# KiCad board Latest-Full-Backplane.kicad_pcb (continued)
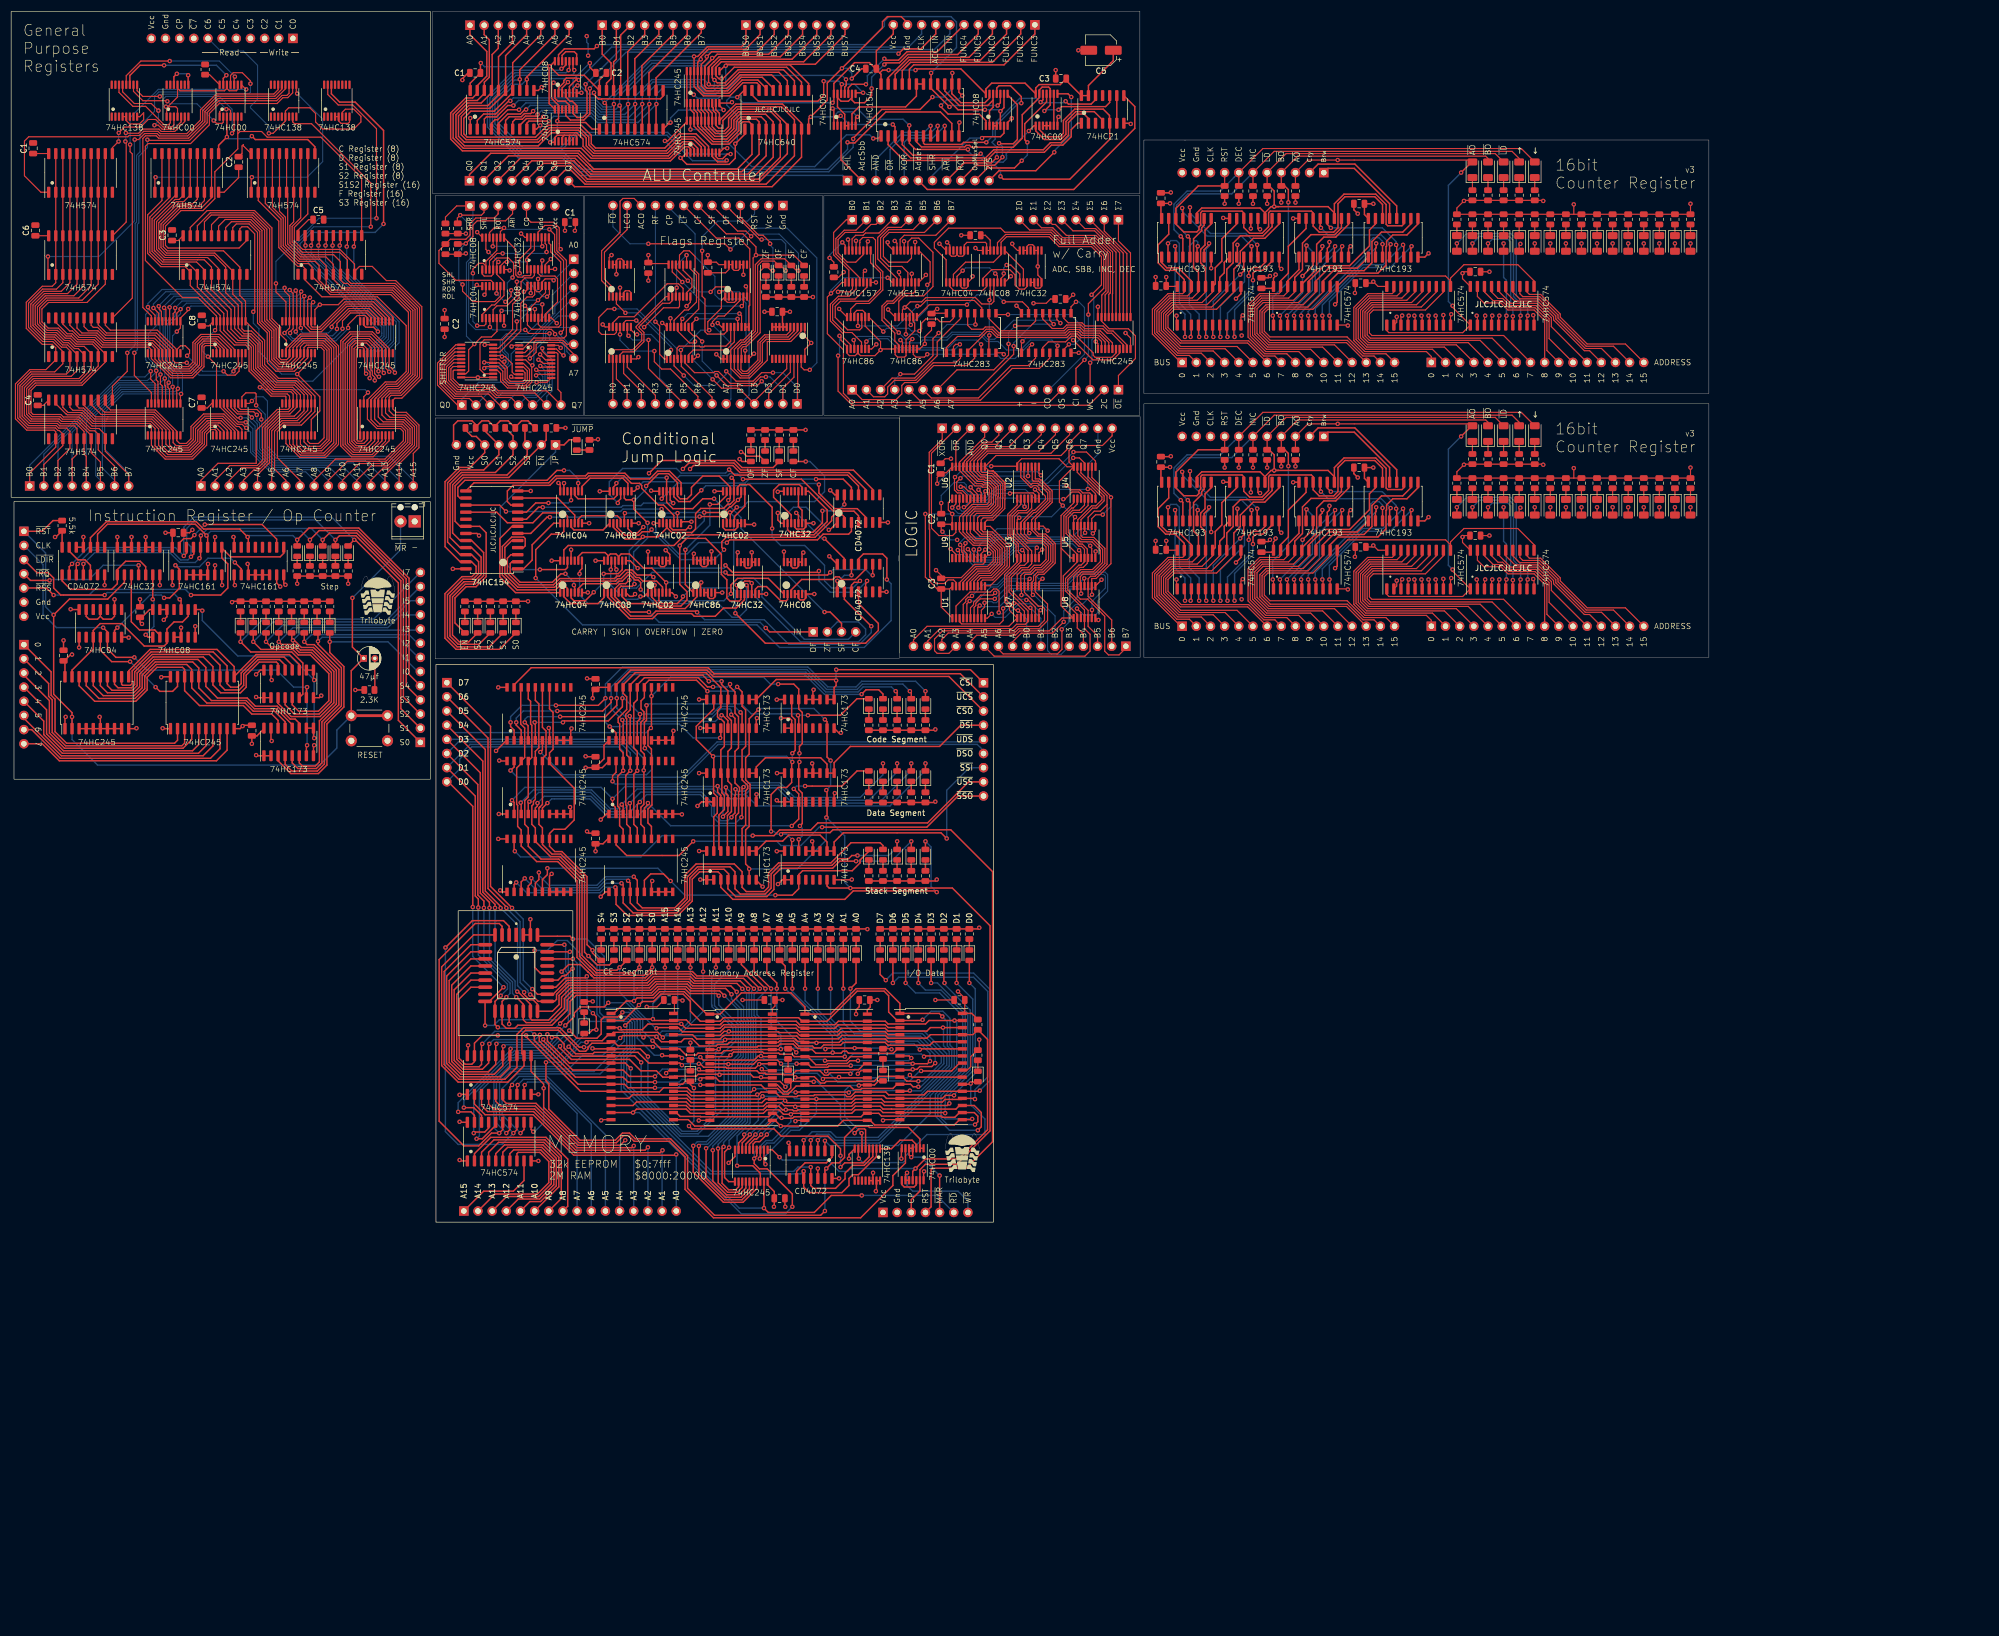
[diagram p0: board, top side]
## Routing (per net, layer and track width the routed paths; a pad name or vN(x,y) marks a point on that pad's centre or on a via; arc(x,y) is an arc through that point) (continued)
/RAM Array/D2: length 154.9
  Top w0.25: v1(140.13,2.76) 140.13,5.04 135.62,9.56 134.22,9.56 133.29,10.49 v1(133.29,11.39) 133.29,11.42 133.74,11.87 U8#6.4 ; D11#2.2 167.31,43 v1(167.42,42.89) ; U4.15 v1(111.56,19.65) 112.18,20.27 121.09,20.27 121.84,19.52 U5#3.15 134.94,19.52 135.56,20.14 137.73,20.14 138.53,19.34 v1(139.86,19.34) 140.04,19.52 142.38,19.52 U6#8.15 150.79,19.52 151.41,20.14 155.89,20.14 156.39,19.65 U7#8.15 167.45,19.65 v1(167.55,19.54)
  Bottom w0.25: v1(111.56,19.65) 112.7,19.65 119.51,12.84 119.64,12.84 130.99,1.49 138.86,1.49 v1(140.13,2.76) ; v1(133.29,11.39) 133.29,12.55 135.37,14.64 136.51,14.64 139.86,17.99 v1(139.86,19.34) ; v1(167.42,42.89) 167.42,42.65 172.04,38.03 172.04,27.29 167.55,22.8 v1(167.55,19.54)
/RAM Array/D3: length 102.4
  Top w0.25: U4.17 121.47,18.38 122.61,17.23 135.52,17.23 U5#3.17 137.04,18.25 v1(138.06,17.23) 148.26,17.23 149.28,18.25 U6#8.17 154.08,18.25 154.9,17.43 169.18,17.43 170.12,18.38 U7#8.17 172.26,18.38 v1(172.39,18.5) ; U8#6.5 133.09,14 133.53,14.44 134.29,14.44 v1(135.56,15.71) ; v1(165.02,42.89) D10#3.2
  Bottom w0.25: v1(138.06,17.23) 137.08,17.23 v1(135.56,15.71) ; v1(165.02,42.89) 166.17,42.89 171.59,37.47 171.59,27.48 166.8,22.69 166.8,19.27 167.57,18.5 v1(172.39,18.5)
/RAM Array/D4: length 109.5
  Top w0.25: v1(162.74,42.89) D9#5.2 ; U4.18 119.31,19.65 120,18.95 123.64,18.95 123.7,18.9 135.92,18.9 U5#3.18 137.04,19.52 137.86,18.7 v1(138.2,18.7) 138.28,18.62 140.16,18.62 140.44,18.9 152.46,18.9 153.08,19.52 U6#8.18 155.63,19.52 156.13,19.01 166.79,19.01 167.01,18.8 169.27,18.8 170.12,19.65 U7#8.18 172.77,19.65 173.41,19.01 173.41,18 v1(172.9,17.49) ; v1(134.54,15.71) 133.71,14.89 133.34,14.89 132.44,13.99 U8#6.6
  Bottom w0.25: v1(138.2,18.7) 137.52,18.7 v1(134.54,15.71) ; v1(162.74,42.89) 164.01,41.62 166.8,41.62 171.14,37.28 171.14,27.66 166.24,22.76 166.24,19.2 167.95,17.49 v1(172.9,17.49)
/RAM Array/D5: length 117
  Top w0.25: U4.19 121.08,20.92 121.83,20.17 134.95,20.17 135.57,20.79 U5#3.19 137.72,20.79 138.37,20.14 140.16,20.14 140.34,19.97 140.94,19.97 141.12,20.14 150.77,20.14 151.42,20.79 U6#8.19 155.88,20.79 156.39,20.28 157.91,20.28 157.92,20.27 169.48,20.27 170.12,20.92 U7#8.19 172.77,20.92 174.03,19.66 174.03,17.1 v1(173.41,16.47) ; v1(133.52,15.72) 131.79,13.99 U8#6.7 ; v1(160.45,42.89) D8#2.2
  Bottom w0.25: v1(133.52,15.72) 137.95,20.15 v1(138.96,20.15) ; v1(173.41,16.47) 168.33,16.47 165.79,19.01 165.79,22.95 170.69,27.85 170.69,36.97 166.55,41.11 162.23,41.11 v1(160.45,42.89)
/RAM Array/D6: length 110.7
  Top w0.25: v1(158.17,42.89) D7#5.2 ; v1(172.9,22.06) 172.77,22.19 U7#8.20 170.44,22 168.84,22 168.83,22.01 167.5,22.01 167.05,21.55 156.64,21.55 156.13,22.06 U6#8.20 151.42,22.06 150.73,21.37 144.15,21.37 144.11,21.41 139.2,21.41 138.55,22.06 U5#3.20 135.31,22.06 134.67,21.43 121.97,21.43 121.21,22.19 U4.20 ; v1(132.5,15.72) 132.5,15.57 131.14,14.21 U8#6.8
  Bottom w0.25: v1(138.85,21.77) 138.57,21.77 133.24,16.44 133.22,16.44 v1(132.5,15.72) ; v1(172.9,22.06) 172.9,23.75 175.18,26.04 175.18,41.36 172.64,43.9 159.18,43.9 v1(158.17,42.89)
/RAM Array/D7: length 111.8
  Top w0.25: v1(156.9,43.4) 155.88,44.41 D6#4.2 ; v1(131.5,15.71) 131.5,15.2 130.49,14.2 U8#6.9 ; 118.81,23.46 121.24,23.46 122.01,22.68 133.88,22.68 134.53,23.33 U5#3.21 137.04,23.33 137.86,22.51 140.96,22.51 141.14,22.68 143.97,22.68 144.11,22.82 149.61,22.82 149.92,22.51 150.6,22.51 151.42,23.33 U6#8.21 156.9,23.33 157.4,22.82 163.75,22.82 164.39,23.46 173.63,23.46 v1(173.76,23.58)
  Bottom w0.25: v1(156.9,43.4) 158.17,44.67 172.64,44.67 175.69,41.62 175.69,25.52 v1(173.76,23.58) ; v1(131.5,15.71) 131.5,15.74 134.04,18.28 134.04,22.69 v1(133.84,22.89)
/~{ADC}: length 57.1
  Top w0.25: U8#4.2 148.23,198.05 148.55,198.37 v1(148.8,198.37) ; U10#4.2 193.25,197.91 192.47,198.69 191.16,198.69 189.66,197.18 189.66,194.9 188.33,193.57 186.42,193.57 185.15,192.29 176.76,192.29 176.76,192.3 176.26,192.3 174.8,190.83 161.34,190.83 158.58,193.59 U3#2.3 158.55,194.81 158.55,196.42 v1(158.15,196.82)
  Bottom w0.25: v1(158.15,196.82) 150.35,196.82 v1(148.8,198.37)
/~{ADD}: length 40.9
  Top w0.25: U10#4.1 191.31,197.06 190.17,195.91 190.17,194.64 188.64,193.12 186.61,193.12 185.34,191.84 176.57,191.84 176.57,191.85 176.45,191.85 174.98,190.38 160.14,190.38 157.31,193.21 U3#2.2
/~{ASL}: length 131.4
  Top w0.25: v1(151.05,194.25) 151.05,194.39 156.18,199.53 163.05,199.53 v1(165.27,201.75) ; U1#2.10 100.14,206.72 v1(100,206.58) ; v1(168.83,206.07) 168.83,204.17 U3#2.14 168.74,202.35 170.35,200.74 174.67,200.74 175.5,201.56 U9#3.13
  Bottom w0.25: v1(168.83,206.07) 168.83,203.28 167.31,201.75 v1(165.27,201.75) ; v1(151.05,194.25) 151.05,192.73 146.66,188.35 101.97,188.35 99.06,191.26 91.18,191.26 85.89,196.56 85.89,201.62 90.37,206.1 99.52,206.1 v1(100,206.58)
/~{ASR}: length 17.4
  Top w0.25: U9#3.12 176.15,199.93 175.5,199.28 U9#3.2 ; U3#2.15 167.47,202.86 170.1,200.23 175.18,200.23 176.15,201.2
/~{DEC}: length 40.1
  Top w0.25: v1(174.93,193.63) 170.86,193.63 170.49,193.26 163.87,193.26 163.66,193.46 163.66,194.78 ; U7#2.12 185.09,201.25 v1(184.67,200.83) ; v1(189.15,200.99) 189.66,200.48 193.72,200.48 194.52,201.28 U10#4.12
  Bottom w0.25: v1(174.93,193.63) 176.07,194.77 176.07,196.67 180.89,201.5 184,201.5 v1(184.67,200.83) 184.76,200.74 188.9,200.74 v1(189.15,200.99)
/~{EEPROM_EN}: length 138.1
  Top w0.25: v1(95.93,28.66) 95.93,25.37 96.44,24.85 96.44,20.28 102.03,14.69 108.38,14.69 109.65,15.96 110.92,15.96 111.94,14.95 118.29,14.95 121.34,11.9 121.34,6.06 126.16,1.23 145.21,1.23 v1(145.97,1.99) ; v1(103.26,44.08) 102.99,43.81 99.52,43.81 99.42,43.71 99.3,43.71 97.71,42.13 U11.23 ; U2#2.13 145.97,9.36 v1(146.23,9.61) 147.24,10.63 148.52,10.63 149.49,11.6 149.49,15.17 151.49,17.18 153.78,17.18 153.98,16.98 160.96,16.98 163.02,14.92 U1#10.2 U1#10.1 ; v1(104.36,37.47) 104.97,36.85 v1(104.97,34.51) 104.32,34.51 103.74,33.93 102.79,33.93
  Bottom w0.25: v1(95.93,28.66) 98.49,28.66 100.94,31.11 100.94,31.71 103.73,34.51 v1(104.97,34.51) ; v1(103.26,44.08) 103.3,44.04 103.3,38.52 v1(104.36,37.47) ; v1(145.97,1.99) 145.97,9.36 v1(146.23,9.61)
/~{INC}: length 51.6
  Top w0.25: U10#4.10 197.06,200.77 196.32,200.03 188.45,200.03 v1(187.88,199.47) ; U3#2.6 162.39,193.72 163.3,192.81 171.05,192.81 171.32,193.08 171.92,193.08 172.26,192.75 176.94,192.75 176.95,192.74 179.76,192.74 181.37,194.36 181.37,198.58 184.44,201.64 U7#2.13 184.44,203.02 184.95,203.53 186.1,203.53 186.39,203.25 U7#2.10 186.39,200.3 v1(185.34,199.25)
  Bottom w0.25: v1(185.34,199.25) 185.56,199.47 v1(187.88,199.47)
/~{ROL}: length 105.9
  Top w0.25: v1(168.32,199.98) 164.93,203.37 U3#2.17 165.02,204.17 v1(165.02,206.07) ; v1(105.08,210.9) 104.57,210.39 99.23,210.39 98.19,209.34 U1#2.13 ; U9#3.10 177.45,200.72 v1(176.96,200.23)
  Bottom w0.25: v1(165.02,206.07) 169.57,210.63 169.57,215.19 168.59,216.17 157.45,216.17 156.64,215.36 156.64,214.45 153.34,211.15 105.33,211.15 v1(105.08,210.9) ; v1(176.96,200.23) 168.58,200.23 v1(168.32,199.98)
/~{ROR}: length 19.8
  Top w0.25: v1(174.67,199.47) 169.85,199.47 166.2,203.12 U3#2.16 ; U9#3.5 177.45,199.19 178.1,199.84 U9#3.9
  Bottom w0.25: v1(174.67,199.47) 177.21,199.47 v1(177.47,199.21)
/~{SBB}: length 85.7
  Top w0.25: v1(171.62,192.36) 162.23,192.36 161.12,193.46 U3#2.5 161.1,194.8 v1(161.1,196.67) ; v1(147.35,199.7) 147.58,199.47 U8#4.1 ; U7#2.2 184.44,195.92 185.71,194.64 188.13,194.64 188.76,195.27 188.76,197.55 190.79,199.58 195.89,199.58 197.02,198.45 197.02,197.09 U10#4.5 197.06,194.17 189.91,187.02 177.97,187.02 v1(177.47,187.53)
  Bottom w0.25: v1(171.62,192.36) 171.62,192.1 172.89,190.83 173.91,190.83 175.18,189.56 176.45,189.56 177.47,188.55 v1(177.47,187.53) ; v1(161.1,196.67) 160,197.77 153.7,197.77 151.78,199.7 v1(147.35,199.7)
/~{SHL}: length 117.3
  Top w0.25: v1(101.01,206.58) 100.79,206.8 U1#2.9 ; v1(150.03,193.63) 150.14,193.52 151.35,193.52 156.9,199.08 166.68,199.08 168.74,197.02 U3#2.11
  Bottom w0.25: v1(101.01,206.58) 101.01,206.07 100.59,205.65 90.56,205.65 86.34,201.43 86.34,196.74 91.37,191.71 99.24,191.71 102.15,188.8 146.48,188.8 150.03,192.36 v1(150.03,193.63)
/~{SHR}: length 17.1
  Top w0.25: U9#3.1 174.85,197.52 173.66,198.71 168.07,198.71 166.8,199.98 v1(166.8,200.23) ; v1(170.61,202.01) 170.01,202.61 U3#2.13
  Bottom w0.25: v1(170.61,202.01) 169.85,201.25 167.81,201.25 v1(166.8,200.23)
/~{SUB}: length 48.5
  Top w0.25: v1(182.55,195.66) 183.49,196.61 U7#2.1 183.79,195.69 185.34,194.13 188.26,194.13 189.21,195.08 189.21,197.37 190.98,199.14 194.28,199.14 195.79,197.63 U10#4.4 ; v1(173.91,191.59) 173.66,191.34 161.72,191.34 159.85,193.21 U3#2.4
  Bottom w0.25: v1(173.91,191.59) 175.43,190.07 177.94,190.07 178.55,190.68 178.55,191.28 178.5,191.33 178.5,191.61 v1(182.55,195.66)
/~{ZF}: length 22.1
  Top w0.25: U4#3.5 24.13,117.53 23.16,118.5 20.54,118.5 19.05,117.02 U4#3.1 19.05,114.48 18.03,113.46 10.67,113.46 9.14,114.99 U2#11.1
A0: length 224.7
  Top w0.2: J1#7.16 161.86,104.42 164.29,106.84 178.97,106.84 U7.1 179.09,109.7 179.09,110.22 178.79,110.52 178.79,110.55 178.21,111.12 178.21,116.11 180.46,118.36 U3#9.1 180.26,119.28 180.26,121.47 178.76,122.97 178.76,126.92 180.46,128.62 U2#7.1 ; U5#6.5 172.85,154.94 171.5,153.59 165.47,153.59 162.42,150.55 160.27,150.55 159.77,150.04 159.77,148.51 158.75,147.5 152.65,147.5 J1#3.1 ; U5#9.8 87.66,156.03 91.41,159.78 91.41,164.76 92.55,165.9 93.5,165.9 93.91,166.31 U3#3.12 93.91,167.23 94.29,166.85 94.82,166.85 95.21,167.23 U3#3.10 95.21,168.56 95.79,169.14 97.06,169.14 v1(97.31,168.88)
  Top w0.25: U11#4.2 121.85,192.47 121.47,192.84 120.81,192.84 118.27,190.3 103.71,190.3 101.9,192.11 80.94,192.11 78.84,194.21 78.84,198.88 81.53,201.58 82.77,201.58 83.61,202.42 U2#9.19 83.61,203.79 85.32,205.5 85.32,209.92 82.31,212.94 J1#8.1 ; 83.11,22.92 83.11,21.17 85.01,19.27 93.65,19.27 100.91,12 119.15,12 v1(119.3,12.14)
  Bottom w0.2: v1(97.31,168.88) 100.91,172.48 J1#5.1
  Bottom w0.25: J3#2.16 119.3,12.14 v1(119.3,12.14)
A1: length 220.9
  Top w0.2: J1#7.15 164.4,104.21 166.64,106.44 179.58,106.44 180.35,107.22 181.95,107.22 182.41,107.68 U7.4 182.41,109.59 181.99,110.02 181.98,110.02 179.01,112.98 179.01,115.77 180.88,117.64 180.89,117.64 181.02,117.77 181.76,117.77 182.41,118.42 U3#9.4 182.41,120.46 179.56,123.31 179.56,126.59 180.57,127.59 182.08,127.59 182.49,128 182.49,129.65 U2#7.4 ; U5#9.7 87.87,155.38 v1(88.05,155.2) 88.61,155.2 89.87,153.94 89.87,152.42 90.27,152.03 U6#9.9 ; J1#3.2 154.69,148.01 156.72,148.01 157.23,148.51 157.23,149.73 158.45,150.95 162.26,150.95 165.41,154.1 169.47,154.1 170.31,154.94 U5#6.3
  Top w0.25: U9#4.3 84.38,20.92 85.46,19.83 93.71,19.83 101.1,12.45 116.41,12.45 v1(116.84,12.88) ; U11#4.3 122.5,192.47 121.67,193.29 120.62,193.29 118.08,190.75 104.08,190.75 102.28,192.55 81.13,192.55 79.28,194.4 79.28,198.7 81.72,201.13 83.62,201.13 84.88,202.39 U2#9.18 84.88,204.42 85.77,205.31 85.77,212.01 84.84,212.94 J1#8.2
  Bottom w0.2: J1#5.2 97.06,166.26 97.06,163.83 92.52,159.29 88.82,159.29 87.73,158.2 87.73,155.52 v1(88.05,155.2)
  Bottom w0.25: v1(116.84,12.88) 116.76,12.8 J3#2.15
A2: length 231.8
  Top w0.2: U5#6.14 170.31,162.04 166.12,157.84 166.12,155.37 162.09,151.35 158.03,151.35 J1#3.3 ; U6#9.8 91.8,152.68 92.18,152.29 92.18,151.11 91.85,150.78 89.53,150.78 88.99,151.32 88.99,153.27 87.53,154.73 U5#9.6 ; J1#7.14 166.94,104.5 168.09,105.64 179.98,105.64 180.76,106.42 184.46,106.42 185.91,107.87 185.91,110.83 183.71,113.03 U7.9 183.8,114.14 183.8,115.68 184.29,116.17 185.25,116.17 187.29,118.21 187.29,121.69 185.86,123.11 185.85,123.11 185.57,123.39 184.35,123.39 183.71,124.03 U3#9.9 183.71,126.04 186.74,129.07 186.74,131.12 184.76,133.09 184.63,133.09 184.45,133.28 183.71,133.28 U2#7.9
  Top w0.25: U9#4.4 85.65,21.17 86.54,20.28 93.9,20.28 101.29,12.9 113.7,12.9 v1(114.22,13.42) ; U11#4.4 123.15,192.57 121.98,193.74 120.43,193.74 117.89,191.2 104.32,191.2 102.59,192.93 102.59,194.2 101.45,195.35 96.89,195.35 94.55,193 81.31,193 79.79,194.52 79.79,198.57 81.9,200.68 84.32,200.68 86.15,202.52 U2#9.17 86.28,203.06 86.28,209.37 87.39,210.48 J1#8.3
  Bottom w0.2: v1(88.47,154.29) 88.78,154.61 88.78,155.45 88.13,156.11 88.13,158.04 88.85,158.76 93.29,158.76 97.53,162.99 97.53,164.19 J1#5.3
  Bottom w0.25: J3#2.14 v1(114.22,13.42)
A3: length 248.5
  Top w0.2: U6#9.7 91.91,153.33 92.58,152.65 92.58,150.95 92.02,150.38 89.37,150.38 88.59,151.16 88.59,152.99 87.5,154.08 U5#9.5 86.37,154.16 v1(84.86,154.16) ; J1#7.13 168.21,101.99 166.11,101.99 165.64,102.47 165.64,104.57 167.11,106.04 179.82,106.04 180.59,106.82 184.27,106.82 185.36,107.91 185.36,110.03 184.95,110.44 184.24,110.44 181.76,112.92 U7.12 181.76,115.97 181.94,116.14 182.97,116.14 183.79,116.97 184.92,116.97 186.49,118.54 186.49,121.36 185.53,122.32 185.52,122.32 185.24,122.59 182.6,122.59 181.76,123.43 U3#9.12 181.76,125.56 183.44,127.24 183.76,127.24 185.94,129.42 185.94,130.79 184.56,132.17 184.43,132.17 184.12,132.48 183.21,132.48 182.97,132.24 181.69,133.53 181.69,135.38 U2#7.12 ; v1(166.37,159.44) 165.35,158.42 165.35,155.37 162.05,152.07 v1(159.51,152.07) ; U5#6.12 172.97,162.86 v1(172.97,160.96)
  Top w0.25: v1(111.68,13.68) 111.35,13.35 101.47,13.35 94.03,20.79 87.81,20.79 86.92,21.68 U9#4.5 ; U11#4.5 123.8,192.81 122.42,194.19 120.25,194.19 117.71,191.65 104.51,191.65 103.16,193 103.16,194.4 101.76,195.8 96.7,195.8 94.58,193.67 81.29,193.67 80.24,194.71 80.24,198.38 82.09,200.23 85.52,200.23 87.42,202.13 U2#9.16 87.42,208.99 89.92,211.5 J1#8.4
  Bottom w0.2: J1#3.4 158.5,151.05 v1(159.51,152.07) ; v1(84.86,154.16) 85.27,154.16 85.87,153.56 88.78,153.56 89.18,153.95 89.18,155.62 88.53,156.27 88.53,157.87 89.02,158.36 93.46,158.36 100.13,165.03 J1#5.4 ; v1(172.97,160.96) 167.89,160.96 v1(166.37,159.44)
  Bottom w0.25: J3#2.13 v1(111.68,13.68)
A4: length 231.4
  Top w0.2: v1(84.86,153.14) 85.16,153.43 U5#9.4 87.35,153.43 88.19,152.59 88.19,150.99 89.2,149.98 92.18,149.98 92.98,150.78 92.98,152.89 91.9,153.98 U6#9.6 ; 186.31,155.89 186.31,154.94 184.46,153.09 179.58,153.09 173.88,147.39 162.92,147.39 J1#3.5 ; 190.59,129.67 190.59,128.95 188.34,126.7 188.34,110.52 190.59,108.27 ; U8#3.1 190.58,108.34 188.53,108.34 186.21,106.02 180.92,106.02 180.15,105.24 173.2,105.24 172.34,104.38 172.34,104.34 172.02,104.03 J1#7.12 ; 188.34,120.87 190.1,119.1 U5#8.1
  Top w0.25: v1(110.16,14.69) 109.26,13.79 101.66,13.79 94.16,21.3 88.82,21.3 88.19,21.93 U9#4.6 ; U11#4.6 124.45,192.79 122.6,194.64 120.06,194.64 117.52,192.1 104.69,192.1 103.61,193.18 103.61,194.58 101.95,196.24 96.52,196.24 94.39,194.12 81.6,194.12 80.75,194.96 80.75,198.26 82.22,199.72 85.87,199.72 88.69,202.54 U2#9.15 88.69,209.17 92.47,212.94 J1#8.5
  Bottom w0.2: v1(84.86,153.14) 88.93,153.14 89.69,153.9 89.69,155.68 91.98,157.96 94.99,157.96 95.47,158.44 95.47,159.81 98.16,162.49 J1#5.5
  Bottom w0.25: v1(110.16,14.69) 109.14,13.68 J3#2.12
A5: length 222.7
  Top w0.2: 192.54,129.67 192.54,128.57 191.62,127.65 190.42,127.65 189.24,126.47 189.24,123.49 191.54,121.19 191.98,121.19 192.54,120.63 192.54,118.42 191.93,117.82 191.53,117.82 189.14,115.42 189.14,113.18 192.54,109.78 192.54,108.27 ; U8#3.4 192.54,106.42 193.54,105.42 193.54,102.42 192.61,101.49 176.34,101.49 J1#7.11 ; U6#9.5 92.29,154.63 93.38,153.54 93.38,150.62 92.35,149.58 89.04,149.58 87.79,150.83 87.79,152.18 87.19,152.78 U5#9.3 ; U6#7.3 183.77,154.94 182.43,153.59 179.32,153.59 173.52,147.79 165.06,147.79 J1#3.6
  Top w0.25: v1(89.86,24.6) 89.46,24.2 U9#4.7 ; U11#4.7 125.1,192.91 122.86,195.15 119.81,195.15 117.27,192.61 104.82,192.61 104.06,193.37 104.06,194.9 102.26,196.69 96.21,196.69 94.08,194.57 81.78,194.57 81.2,195.15 81.2,197.94 82.47,199.21 86.64,199.21 89.96,202.54 U2#9.14 89.96,207.9 95.01,212.94 J1#8.6
  Bottom w0.2: J1#5.6 100.43,160.43 96.66,160.43 95.87,159.64 95.87,159.06 95.87,159.06 95.87,158.28 93.76,156.16 93.76,153.9 v1(93.5,153.64)
  Bottom w0.25: v1(89.86,24.6) 89.86,24.87 91.11,26.12 96.16,26.12 106.6,15.68 J3#2.11
A6: length 244.1
  Top w0.2: 193.84,135.39 193.86,135.37 193.86,133.53 197.29,130.1 197.29,118.08 194.62,115.42 193.84,115.42 193.84,113.99 ; U1#5.9 87.76,177.62 v1(88.42,178.28) 86.64,178.28 85.81,177.45 U1#5.12 ; U6#9.4 92.48,155.28 93.77,156.57 93.77,157.78 94.12,158.13 98.97,158.13 99.69,157.41 J1#5.7 ; v1(195.81,126.87) 195.79,126.84 194.54,126.84 193.84,126.14 U5#8.9 ; v1(178.91,157.48) 178.91,155.47 176.28,152.83 169.67,152.83 J1#3.7 ; v1(188.46,106.29) 188.49,106.27 188.49,102.69 187.69,101.89 177.94,101.89 177.1,102.73 J1#7.10 ; v1(96.55,178.03) 97.48,177.1 97.48,174.02 99.09,172.41 99.09,159.99 v1(98.58,159.49) ; U8#3.9 193.84,112.57 v1(193.89,112.52) ; v1(180.09,160.71) 182.88,160.71 183.77,161.59 U6#7.14
  Top w0.25: v1(128.35,190.4) 128.08,190.13 126.71,190.13 125.75,191.09 U11#4.8 ; U9#4.8 90.73,24.47 v1(90.86,24.6) ; U2#9.13 91.23,204.92 v1(91.24,204.92) 91.24,206.63 97.55,212.94 J1#8.7
  Bottom w0.2: v1(180.09,160.71) 178.91,159.53 v1(178.91,157.48) ; v1(195.81,126.87) 197.29,128.34 v1(197.29,129.97) ; v1(96.55,178.03) 88.67,178.03 v1(88.42,178.28) ; J1#5.7 100.14,157.41 98.58,158.98 v1(98.58,159.49) ; v1(193.89,112.52) 192.09,110.72 190.9,110.72 189.66,109.48 189.66,107.49 v1(188.46,106.29)
  Bottom w0.25: v1(91.24,204.92) 91.11,204.8 90.34,204.8 86.79,201.25 86.79,196.93 91.56,192.16 98.66,192.16 101.39,194.9 117.65,194.9 122.22,190.32 128.19,190.32 128.26,190.4 v1(128.35,190.4) ; J3#2.10 104.06,17.59 96.04,25.62 91.87,25.62 v1(90.86,24.6)
A7: length 257.3
  Top w0.2: v1(191.94,112.72) 191.89,112.77 U8#3.12 ; v1(125.8,160.9) 125.8,161.46 126.82,162.48 127.95,162.48 130.7,165.23 U39.5 ; J1#5.8 100.91,155.63 98.81,157.73 94.59,157.73 94.17,157.32 94.17,155.98 v1(93.06,154.87) ; 186.31,162.99 186.31,161.72 v1(187.01,161.02) ; v1(89.94,169.39) 90.12,169.56 90.12,171.99 89.22,172.89 87.11,172.89 86.46,172.23 U1#5.4 86.46,169.97 86.13,169.65 84.86,169.65 84.51,170 U1#5.1 ; 191.89,135.39 191.89,134.37 196.06,130.2 196.06,129.36 194.75,128.04 193.99,128.04 191.91,125.96 191.91,123.08 192.2,122.79 194.21,122.79 196.19,120.81 196.19,118.11 194.29,116.22 192.25,116.22 191.79,115.75 191.79,114.09 191.89,113.99 ; J1#3.8 173.48,149.28 179.83,155.63 v1(179.83,157.09) ; v1(188.82,107.64) 186.8,105.62 181.19,105.62 179.64,104.07 ; v1(92.17,164.31) 92.61,163.87 U3#3.1 92.61,160.89 93.39,160.1 96.89,160.1 97.56,159.43 v1(97.56,159.23) ; U6#9.3 92.14,155.93 v1(93.07,156.86)
  Top w0.25: v1(92.13,24.6) 92,24.47 U9#4.9 ; v1(129.05,191.52) 128.46,191.52 127.63,190.7 126.79,190.7 126.4,191.09 U11#4.9 ; U2#9.12 v1(92.5,204.93) 92.5,205.36 100.09,212.94 J1#8.8
  Bottom w0.2: v1(187.01,161.02) 183.2,161.02 179.83,157.65 v1(179.83,157.09) ; v1(188.82,107.64) 188.82,109.6 v1(191.94,112.72) ; J1#5.8 99.68,156.1 99.68,157.24 97.68,159.23 v1(97.56,159.23) ; v1(93.06,154.87) 93.06,156.85 v1(93.07,156.86) ; J2#4.6 129.12,147.59 129.12,157.58 v1(125.8,160.9) ; v1(92.17,164.31) 91.5,164.31 88.99,166.82 88.99,168.44 v1(89.94,169.39)
  Bottom w0.25: v1(129.05,191.52) 121.66,191.52 117.78,195.4 101.27,195.4 98.47,192.61 91.87,192.61 87.3,197.18 87.3,200.99 90.34,204.04 91.61,204.04 v1(92.5,204.93) ; v1(92.13,24.6) 92.63,25.11 95.91,25.11 101.52,19.49 J3#2.9
A8: length 30.5
  Top w0.25: 83.11,10.98 83.11,12.28 86.03,15.2 95.94,15.2 99.83,11.31 99.83,2.84 J3#2.8
A9: length 28.8
  Top w0.25: J3#2.7 98.69,4.24 98.69,11.81 95.75,14.75 86.6,14.75 84.38,12.53 U10#3.3
A10: length 27.4
  Top w0.25: J3#2.6 93.91,1.99 98.24,6.33 98.24,11.63 95.57,14.3 87.42,14.3 85.65,12.53 U10#3.4
A11: length 27.1
  Top w0.25: J3#2.5 93.06,3.69 94.97,3.69 97.79,6.52 97.79,11.44 95.38,13.85 88.49,13.85 86.92,12.28 U10#3.5
A12: length 27
  Top w0.25: U10#3.6 88.19,12.53 89.06,13.4 95.2,13.4 97.34,11.26 97.34,6.7 94.78,4.14 90.97,4.14 J3#2.4
A13: length 26.6
  Top w0.25: J3#2.3 88.88,4.59 94.6,4.59 96.89,6.89 96.89,11.07 95.01,12.95 90.13,12.95 89.46,12.28 U10#3.7
A14: length 26.4
  Top w0.25: J3#2.2 86.79,5.04 94.41,5.04 96.44,7.07 96.44,10.88 94.82,12.5 90.95,12.5 90.73,12.28 U10#3.8
A15: length 16.6
  Top w0.25: J3#2.1 84.76,5.55 90.09,5.55 92,7.46 U10#3.9
ADC_SBB: length 70
  Top w0.2: U32.3 169.02,169.96 171.2,172.14 176.21,172.14 177.58,173.5 U33.9 177.58,175.72 178.56,176.71 186.18,176.71 187.96,174.93 193.79,174.93 195.58,173.14 195.58,168.07 v1(193.8,166.29) ; v1(193.55,154.1) J4#4.3
  Top w0.25: J3.2 148.88,190.47 U8#4.3
  Bottom w0.2: v1(193.55,154.1) 193.86,154.42 193.86,158.25 194.2,158.59 194.2,165.89 v1(193.8,166.29)
ADDER_CARRY_IN: length 12.7
  Top w0.2: U5#6.7 175.39,158.94 v1(175.46,159.01) ; v1(175.48,165.34) 175.63,165.48 U33.3
  Bottom w0.2: v1(175.46,159.01) 175.46,165.32 v1(175.48,165.34)
ADDER_CARRY_OUT: length 22
  Top w0.2: v1(191.01,165.02) 190.12,164.13 U6#7.9
  Bottom w0.2: v1(191.01,165.02) 191.52,165.02 192.53,164.01 192.53,155.63 186.18,149.28 J4#4.6
ADDER_OUT: length 50.7
  Top w0.25: J3.6 164.33,185.17 190.61,185.17 201.56,196.12 201.56,200.04 U10#4.8
ADDR0: length 150.6
  Top w0.2: 248.03,120.48 248.03,119.49 247.73,119.19 243.33,119.19 240.85,116.72 240.85,110.79 242.83,108.81 253.86,108.81 254.76,107.91 J3#9.1 ; 32.13,170.43 31.22,171.34 26.86,171.34 24.48,173.71 24.48,180.62 27.05,183.19 U1#9.2 U1#9.19 ; 32.13,169.94 32.13,167.94 37.49,162.59 U9#6.18 37.49,159.85 40.05,157.29 42.08,157.29 42.67,156.7 42.67,152.63 46.79,148.51 49.53,148.51 49.94,148.11 49.94,146.04 49.63,145.73 47.74,145.73 43.97,141.96 43.97,136.07 37.08,136.07 34.04,133.02 J2#5.1 ; J3#8.1 254.76,155.21 253.86,156.11 242.83,156.11 240.85,158.09 240.85,164.02 243.33,166.5 247.73,166.5 248.03,166.8 248.03,167.78
ADDR1: length 154.2
  Top w0.2: J3#9.2 254.95,109.21 242.99,109.21 241.25,110.95 241.25,116.55 243.49,118.79 248.6,118.79 249.3,119.49 U6#4.18 ; 28.32,191.6 28.32,183.66 24.88,180.22 24.88,173.89 27.02,171.76 31.96,171.76 33.4,170.31 ; U6#5.18 249.3,166.8 248.6,166.1 243.49,166.1 241.25,163.85 241.25,158.26 242.99,156.51 254.95,156.51 J3#8.2 ; J2#5.2 36.58,133.02 39.22,135.67 44.13,135.67 45.1,136.64 45.1,142.51 47.92,145.32 49.78,145.32 50.59,146.13 50.59,148.5 50.18,148.91 46.96,148.91 46.09,149.78 43.07,152.8 43.07,156.87 42.25,157.69 40.35,157.69 38.14,159.9 U9#6.17 38.14,162.95 33.4,167.69 33.4,169.94
ADDR2: length 158
  Top w0.2: U6#5.17 250.57,166.8 249.47,165.7 243.66,165.7 241.65,163.69 241.65,158.42 243.16,156.91 257.09,156.91 J3#8.3 ; J2#5.3 39.12,133.02 41.36,135.27 44.3,135.27 45.54,136.51 45.54,142.38 48.09,144.92 50.01,144.92 51.24,146.15 51.24,148.42 50.34,149.31 47.12,149.31 44.59,151.84 43.47,152.96 43.47,157.04 42.41,158.09 40.71,158.09 38.79,160.01 U9#6.16 38.79,163.32 34.67,167.44 34.67,169.94 ; J3#9.3 257.09,109.61 243.16,109.61 241.65,111.12 241.65,116.38 243.66,118.39 249.47,118.39 250.57,119.49 U6#4.17 ; 34.67,170.76 33.26,172.17 27.2,172.17 25.28,174.09 25.28,179.93 29.59,184.24 ; U1#9.17 U1#9.4
ADDR3: length 164.2
  Top w0.2: U6#5.16 251.84,166.8 250.34,165.3 243.82,165.3 242.05,163.52 242.05,158.59 243.32,157.31 259.23,157.31 J3#8.4 ; J2#5.4 41.66,133.02 43.51,134.87 44.46,134.87 45.94,136.34 45.94,142.21 48.25,144.52 50.78,144.52 51.89,145.63 51.89,148.33 50.51,149.71 47.29,149.71 44.99,152 43.87,153.13 43.87,157.22 42.6,158.49 41.08,158.49 39.44,160.13 U9#6.15 39.44,163.68 35.94,167.18 35.94,171.25 34.62,172.57 33.43,172.57 33.42,172.57 27.37,172.57 25.68,174.26 25.68,179.66 29.41,183.39 30.15,183.39 30.86,184.1 ; J3#9.4 259.23,110.01 243.32,110.01 242.05,111.28 242.05,116.22 243.82,117.99 250.34,117.99 251.84,119.49 U6#4.16 ; U1#9.5 U1#9.16
ADDR4: length 169.8
  Top w0.2: 32.13,184.17 30.94,182.99 29.64,182.99 26.08,179.43 26.08,174.42 27.53,172.97 33.59,172.97 35.23,172.97 37.21,170.99 37.21,166.93 40.09,164.05 40.09,160.24 41.44,158.89 42.84,158.89 44.27,157.46 44.27,153.29 47.45,150.11 50.81,150.11 52.54,148.38 52.54,145.48 51.18,144.12 48.42,144.12 46.34,142.04 46.34,136.18 44.2,134.04 J2#5.5 ; J3#8.5 261.37,157.71 243.49,157.71 242.45,158.75 242.45,163.36 243.99,164.9 251.21,164.9 253.11,166.8 U6#5.15 ; J3#9.5 261.37,110.41 243.49,110.41 242.45,111.45 242.45,116.05 243.99,117.59 251.21,117.59 253.11,119.49 U6#4.15 ; U1#9.15 U1#9.6
ADDR5: length 176.9
  Top w0.2: J3#8.6 263.51,158.11 243.65,158.11 242.85,158.92 242.85,163.19 244.15,164.5 252.08,164.5 254.38,166.8 U6#5.14 ; U6#4.14 254.38,119.49 252.08,117.19 244.15,117.19 242.85,115.89 242.85,111.61 243.65,110.81 263.51,110.81 J3#9.6 ; J2#5.6 46.74,141.88 48.58,143.73 51.35,143.73 53.19,145.57 53.19,148.3 50.98,150.51 47.62,150.51 44.67,153.46 44.67,157.64 43.01,159.29 41.74,159.29 40.74,160.29 U9#6.13 40.74,164.42 38.48,166.68 38.48,171.25 36.36,173.37 33.76,173.37 27.7,173.37 26.48,174.59 26.48,179.21 29.86,182.59 32.55,182.59 33.4,183.44 U1#9.7 U1#9.14
ADDR6: length 184
  Top w0.2: 39.75,169.94 39.75,166.42 41.39,164.78 U9#6.12 41.39,160.21 41.8,159.8 43.11,159.8 45.07,157.84 45.07,153.63 47.78,150.91 51.14,150.91 53.84,148.21 53.84,145.45 51.71,143.33 48.75,143.33 47.24,141.82 47.24,135.05 49.28,133.02 J2#5.7 ; U1#9.13 U1#9.8 34.67,183.19 33.68,182.19 30.09,182.19 26.88,178.98 26.88,174.75 27.86,173.77 36.52,173.77 39.75,170.54 ; J3#8.7 265.65,158.51 243.82,158.51 243.25,159.08 243.25,163.03 244.32,164.1 252.95,164.1 255.65,166.8 U6#5.13 ; U6#4.13 255.65,119.49 252.95,116.79 244.32,116.79 243.25,115.72 243.25,111.78 243.82,111.21 265.65,111.21 J3#9.7
